# Altium PCB AVALON2_21b.PcbDoc (part 4 of 7)
Units mil, origin at the board's own origin, x right, y up, seen from the top; angles counter-clockwise.
Board outline 5250 x 3000 mil, 4 copper layers (Top Layer, Mid-Layer 1, Mid-Layer 2, Bottom Layer); 460 components, 80 nets, 2011 pads, 1492 vias.
Unrouted connection lines stored in the file: 78.
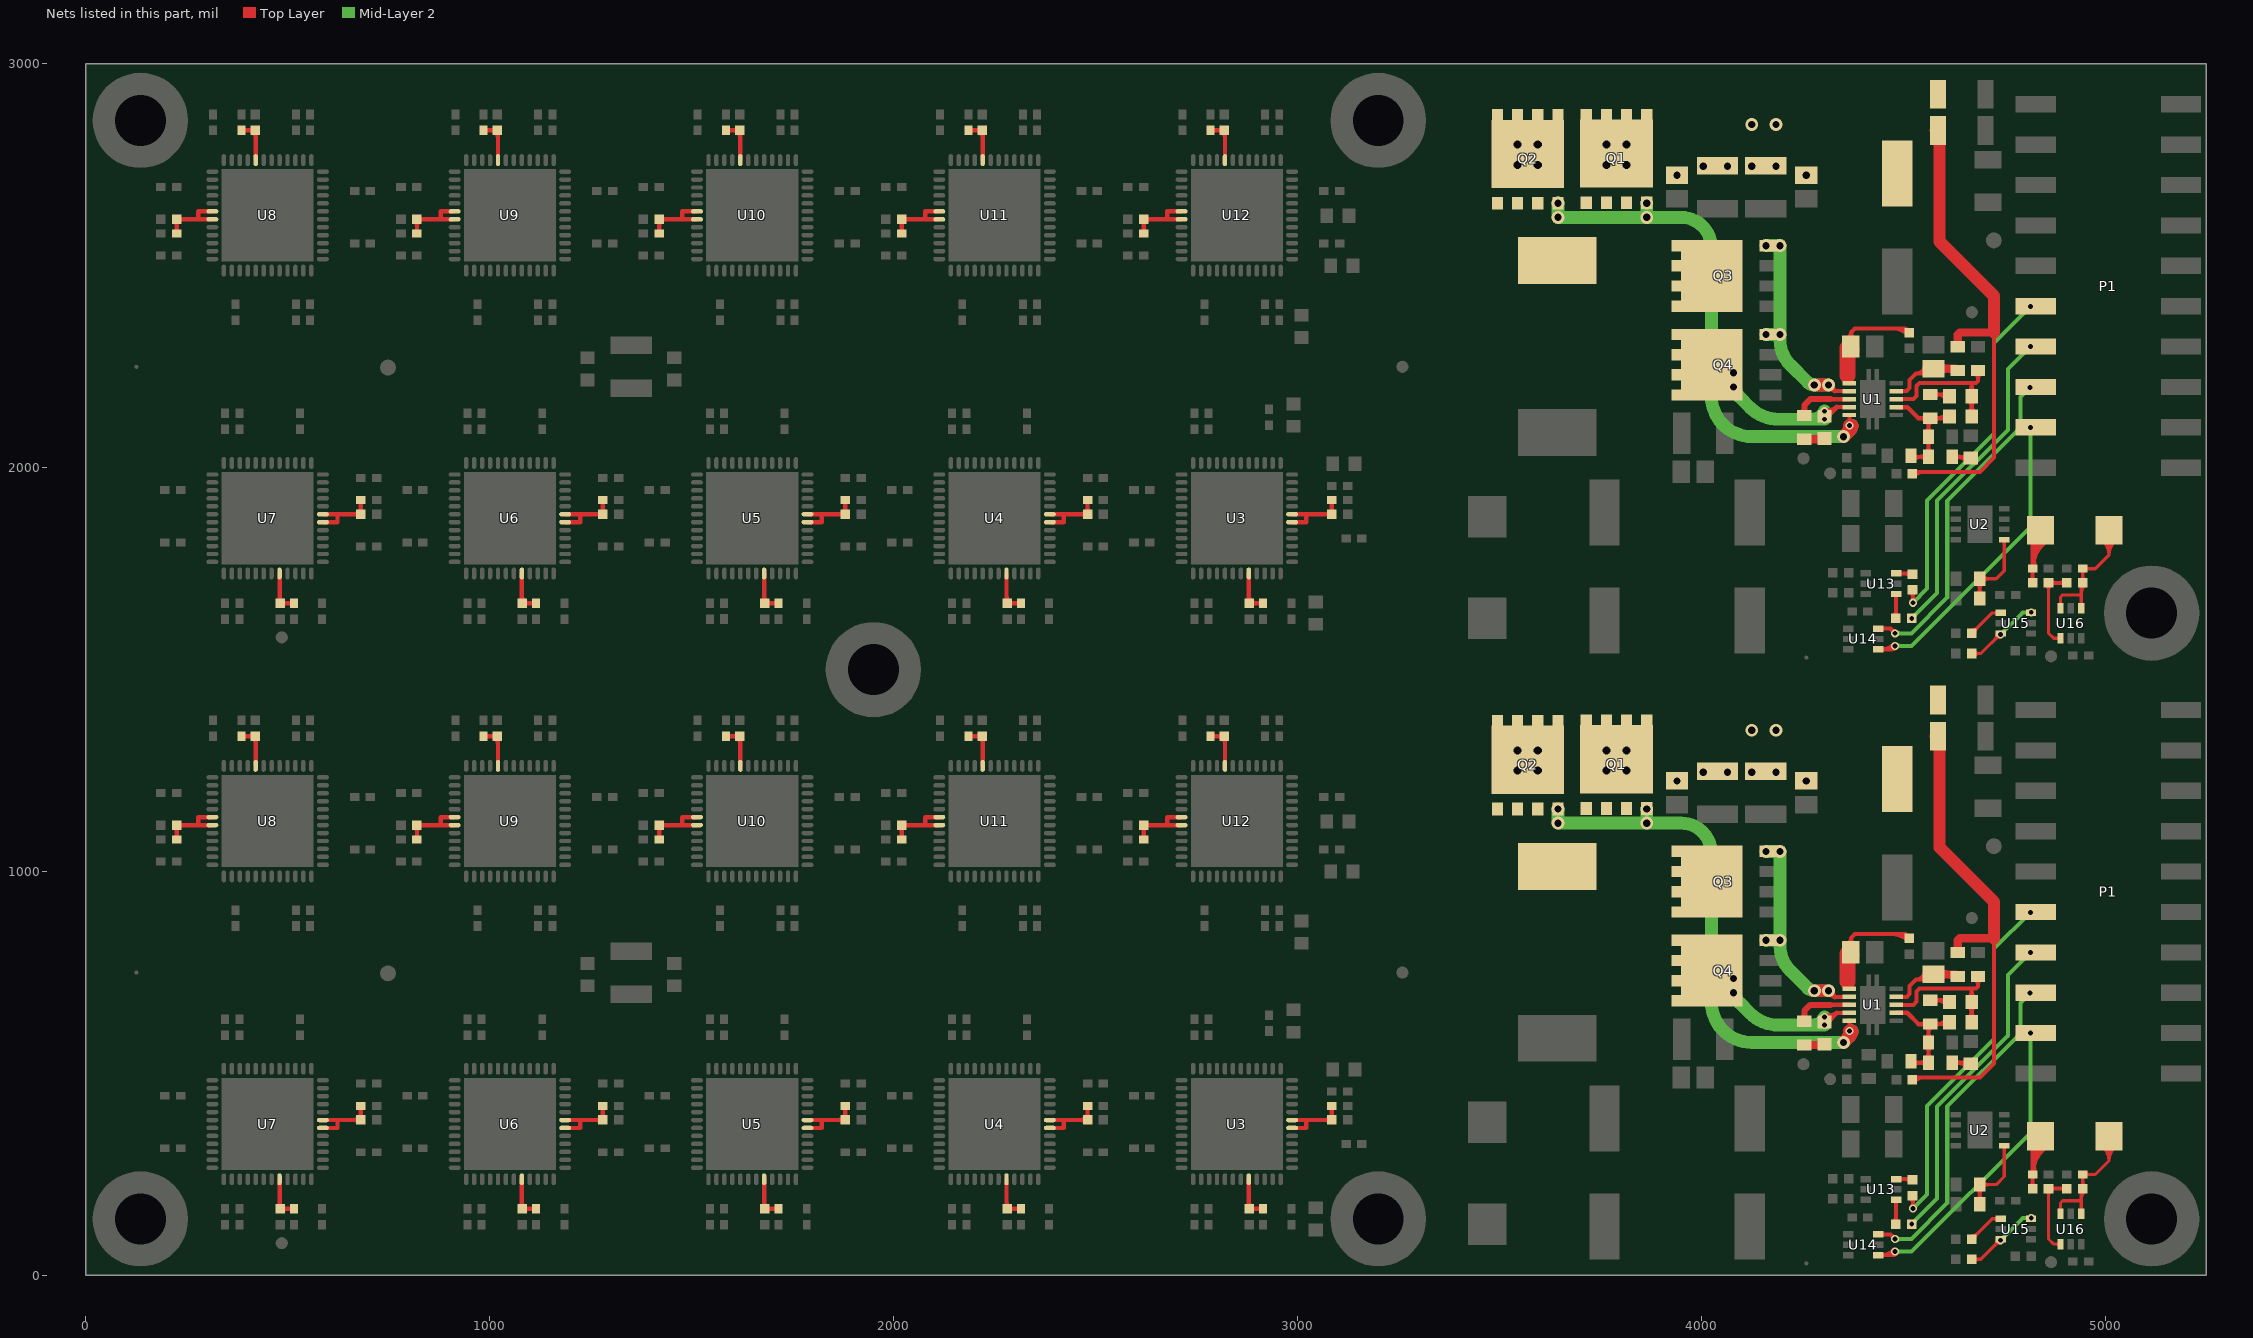
[diagram p6: the nets of this part, all layers, seen from the top]

## Via types
v1: diameter 32, hole 18, Top Layer to Bottom Layer, tented both sides, 846 vias
v2: diameter 20, hole 12, Top Layer to Bottom Layer, tented both sides, 458 vias
v3: diameter 20, hole 12, Top Layer to Bottom Layer, tented bottom, 154 vias
v4: diameter 50, hole 20, Top Layer to Bottom Layer, tented both sides, 16 vias
v5: diameter 23.62, hole 11.81, Top Layer to Bottom Layer, tented bottom, 10 vias
v6: diameter 25.98, hole 12.99, Top Layer to Bottom Layer, tented top, 4 vias
v7: diameter 20, hole 12, Top Layer to Bottom Layer, 4 vias

## Nets (pads, with @x,y where several pads share a name; then routed paths per layer and width w, separated by ;. In a path a pad name is that pad's centre, name@x,y a point inside that pad or via, vN(x,y) a via of type N, cw(c..) or ccw(c..) an arc to the next point about the centre after c; other vN are vias at no path point) (continued)
NetC5_1: C5.1 C6.2 C7.2 C8.2 C146.2 FB1.1 FB2.1 Q1.5 Q2.5 R1.2 R2.2 | length 2515.1
  Top Layer w10: R2.2@4522.69,485 4527.69,490 4690,490 4725,525 4725,835 ; R2.2@4522.69,1985 4527.69,1990 4690,1990 4725,2025 4725,2335 ; R2.2@4527.5,480.18 cw(c4551.2,456.49) 4551.2,490 ; R2.2@4527.5,1980.18 cw(c4551.2,1956.49) 4551.2,1990
  Top Layer w20: R1.2@4635,799.53 4635,830 4640,835 4725,835 ; R1.2@4635,2299.53 4635,2330 4640,2335 4725,2335
  Top Layer w30: FB2.1@4580,1335 4590,1325 4590,1060 4725,925 4725,835 ; FB2.1@4580,2835 4590,2825 4590,2560 4725,2425 4725,2335 ; FB2.1@4582.63,1315.94 cw(c4564.84,1298.15) 4590,1298.15 ; FB2.1@4582.63,2815.94 cw(c4564.84,2798.15) 4590,2798.15
  other v1: 3940,1224.53 4260,1224.53 4005,1246.3 4065,1246.3 4125,1246.3 4185,1246.3 4125,1350 4185,1350 3940,2724.53 4260,2724.53 4005,2746.3 4065,2746.3 4125,2746.3 4185,2746.3 4125,2850 4185,2850
  other v4: 3545,1250 3595,1250 3765,1250 3815,1250 3545,1300 3595,1300 3765,1300 3815,1300 3545,2750 3595,2750 3765,2750 3815,2750 3545,2800 3595,2800 3765,2800 3815,2800
NetC9_1: C9.1 C16.1 R7.2 U1.3 | length 997.6
  Top Layer w10: U1.3@4483.07,670 4525,670 4533,678 4533,703 4540,710 4680,710 4685,715 R7.2@4685,740.47 ; U1.3@4483.07,2170 4525,2170 4533,2178 4533,2203 4540,2210 4680,2210 4685,2215 R7.2@4685,2240.47 ; C16.1@4661.89,636.5 ccw(c4643.54,654.85) 4669.49,654.85 ccw(c4695.44,654.85) C16.1@4677.09,636.5 ; C9.1@4661.89,667.36 cw(c4643.54,649.01) 4669.49,649.01 cw(c4695.44,649.01) C9.1@4677.09,667.36 ; C9.1@4661.89,686.5 ccw(c4643.54,704.85) 4669.49,704.85 ccw(c4695.44,704.85) C9.1@4677.09,686.5 ; C16.1@4661.89,2136.5 ccw(c4643.54,2154.85) 4669.49,2154.85 ccw(c4695.44,2154.85) C16.1@4677.09,2136.5 ; C9.1@4661.89,2167.36 cw(c4643.54,2149.01) 4669.49,2149.01 cw(c4695.44,2149.01) C9.1@4677.09,2167.36 ; C9.1@4661.89,2186.5 ccw(c4643.54,2204.85) 4669.49,2204.85 ccw(c4695.44,2204.85) C9.1@4677.09,2186.5 ; C16.1@4669.49,626.93 C9.1@4669.49,676.93 4669.49,709.49 ; C16.1@4669.49,2126.93 C9.1@4669.49,2176.93 4669.49,2209.49 ; R7.2@4678.79,734.26 cw(c4663.8,719.28) 4685,719.28 cw(c4706.2,719.28) R7.2@4691.21,734.26 ; R7.2@4678.79,2234.26 cw(c4663.8,2219.28) 4685,2219.28 cw(c4706.2,2219.28) R7.2@4691.21,2234.26
NetC9_2: C9.2 R5.2 | length 233.9
  Top Layer w10: R5.2@4566.93,681.46 C9.2@4609.84,681.46 ; R5.2@4566.93,2181.46 C9.2@4609.84,2181.46 ; R5.2@4577.07,675.25 cw(c4592.06,660.26) 4592.06,681.46 cw(c4592.06,702.65) R5.2@4577.07,687.66 ; R5.2@4577.07,2175.25 cw(c4592.06,2160.26) 4592.06,2181.46 cw(c4592.06,2202.65) R5.2@4577.07,2187.66 ; R5.2@4582.24,681.46 cw(c4582.24,646.77) C9.2@4606.77,671.3 ; R5.2@4582.24,2181.46 cw(c4582.24,2146.77) C9.2@4606.77,2171.3 ; 4594.6,681.46 ccw(c4594.6,698.67) C9.2@4606.77,686.5 ; 4594.6,2181.46 ccw(c4594.6,2198.67) C9.2@4606.77,2186.5
NetC10_1: C10.1 L1.1 Q1.1 Q1.2 Q1.3 Q2.1 Q2.2 Q2.3 Q3.5 Q4.5 U1.9 | length 1179.1
  Top Layer w10: 4335.32,650.32 U1.9@4366.93,650.32 ; 4335.32,2150.32 U1.9@4366.93,2150.32
  Top Layer w12: C10.1@4302.32,632.46 ccw(c4308.6,650.15) C10.1@4321.88,636.88 ; C10.1@4302.32,2132.46 ccw(c4308.6,2150.15) C10.1@4321.88,2136.88 ; v2@4306.34,643.77 ccw(c4315.64,669.98) 4335.31,650.31 C10.1@4312.56,627.56 ; v2@4306.34,2143.77 ccw(c4315.64,2169.98) 4335.31,2150.31 C10.1@4312.56,2127.56 ; C10.1@4306.97,637.31 ccw(c4306.97,674.34) 4333.15,648.15 ; C10.1@4306.97,2137.31 ccw(c4306.97,2174.34) 4333.15,2148.15 ; C10.1@4307.34,643.25 ccw(c4316.31,655.69) C10.1@4320.28,640.87 ; C10.1@4307.34,2143.25 ccw(c4316.31,2155.69) C10.1@4320.28,2140.87
  Mid-Layer 2 w32: v1(4080,735) 4080,711.21 ccw(c4131.21,711.21) 4094.99,675.01 4120.71,649.29 ccw(c4191.42,720) 4191.42,620 v2(4305,620) v2(4305,640) ; v1(4080,2235) 4080,2211.21 ccw(c4131.21,2211.21) 4094.99,2175.01 4120.71,2149.29 ccw(c4191.42,2220) 4191.42,2120 v2(4305,2120) v2(4305,2140) ; 4271.2,620 ccw(c4271.2,673.8) v2@4309.24,635.76 ; 4271.2,2120 ccw(c4271.2,2173.8) v2@4309.24,2135.76 ; v1(4080,700) ccw(c4104.14,700) 4087.07,682.93 ; v1(4080,700) ccw(c4104.14,700) 4087.07,682.93 ; v1(4080,700) ccw(c4104.14,700) 4087.07,682.93 ; v1(4080,700) ccw(c4104.14,700) 4087.07,682.93 ; v1(4080,2200) ccw(c4104.14,2200) 4087.07,2182.93 ; v1(4080,2200) ccw(c4104.14,2200) 4087.07,2182.93 ; v1(4080,2200) ccw(c4104.14,2200) 4087.07,2182.93 ; v1(4080,2200) ccw(c4104.14,2200) 4087.07,2182.93
NetC10_2: C10.2 R4.1 | length 128.4
  Top Layer w20: R4.1@4255,570.47 C10.2@4303.03,570.47 ; R4.1@4255,2070.47 C10.2@4303.03,2070.47 ; 4284.4,570.47 ccw(c4284.4,591.07) C10.2@4298.97,576.51 ; 4284.4,2070.47 ccw(c4284.4,2091.07) C10.2@4298.97,2076.51
NetC16_2: C16.2 R5.1 R9.2 R10.2 R11.2 U1.2 | length 1192.9
  Top Layer w10: R10.2@4514.53,530 4517.6,526.93 R11.2@4562.4,526.93 R9.2@4562.4,576.93 4562.4,617.87 R5.1@4566.93,622.4 4609.84,622.4 C16.2@4614.37,626.93 ; R10.2@4514.53,2030 4517.6,2026.93 R11.2@4562.4,2026.93 R9.2@4562.4,2076.93 4562.4,2117.87 R5.1@4566.93,2122.4 4609.84,2122.4 C16.2@4614.37,2126.93 ; R10.2@4525.74,519.86 cw(c4542.81,502.78) 4542.81,526.93 ; R10.2@4525.74,532.27 ccw(c4538.63,545.17) 4538.63,526.93 ; R10.2@4525.74,2019.86 cw(c4542.81,2002.78) 4542.81,2026.93 ; R10.2@4525.74,2032.27 ccw(c4538.63,2045.17) 4538.63,2026.93 ; R11.2@4556.19,520.72 ccw(c4541.21,505.73) 4541.21,526.93 ccw(c4541.21,548.12) R11.2@4556.19,533.14 ; R11.2@4556.19,537.07 ccw(c4541.21,552.06) 4562.4,552.06 ccw(c4583.6,552.06) R11.2@4568.61,537.07 ; R9.2@4556.19,566.78 cw(c4541.21,551.8) 4562.4,551.8 cw(c4583.6,551.8) R9.2@4568.61,566.78 ; R9.2@4556.19,587.07 ccw(c4541.21,602.06) 4562.4,602.06 ccw(c4583.6,602.06) R9.2@4568.61,587.07 ; R11.2@4556.19,2020.72 ccw(c4541.21,2005.73) 4541.21,2026.93 ccw(c4541.21,2048.12) R11.2@4556.19,2033.14 ; R11.2@4556.19,2037.07 ccw(c4541.21,2052.06) 4562.4,2052.06 ccw(c4583.6,2052.06) R11.2@4568.61,2037.07 ; R9.2@4556.19,2066.78 cw(c4541.21,2051.8) 4562.4,2051.8 cw(c4583.6,2051.8) R9.2@4568.61,2066.78 ; R9.2@4556.19,2087.07 ccw(c4541.21,2102.06) 4562.4,2102.06 ccw(c4583.6,2102.06) R9.2@4568.61,2087.07 ; R5.1@4556.78,616.19 cw(c4543.22,602.63) 4562.4,602.63 ; R5.1@4556.78,2116.19 cw(c4543.22,2102.63) 4562.4,2102.63 ; 4562.4,599.78 cw(c4585.61,599.78) R5.1@4569.2,616.19 ; 4562.4,2099.78 cw(c4585.61,2099.78) R5.1@4569.2,2116.19 ; R5.1@4577.07,616.19 cw(c4592.06,601.21) 4592.06,622.4 cw(c4592.06,643.6) R5.1@4577.07,628.61 ; R5.1@4577.07,2116.19 cw(c4592.06,2101.21) 4592.06,2122.4 cw(c4592.06,2143.6) R5.1@4577.07,2128.61 ; R5.1@4582.24,622.4 ccw(c4582.24,657.09) C16.2@4606.77,632.56 ; R5.1@4582.24,2122.4 ccw(c4582.24,2157.09) C16.2@4606.77,2132.56 ; 4594.6,622.4 cw(c4594.6,605.19) C16.2@4606.77,617.36 ; 4594.6,2122.4 cw(c4594.6,2105.19) C16.2@4606.77,2117.36
  Top Layer w11: U1.2@4483.07,650.32 4509.68,650.32 4537.6,622.4 R5.1@4566.93,622.4 ; U1.2@4483.07,2150.32 4509.68,2150.32 4537.6,2122.4 R5.1@4566.93,2122.4 ; R5.1@4557.14,616.55 ccw(c4543,602.41) 4543,622.4 ccw(c4543,642.39) R5.1@4557.14,628.26 ; R5.1@4557.14,2116.55 ccw(c4543,2102.41) 4543,2122.4 ccw(c4543,2142.39) R5.1@4557.14,2128.26
NetC17_2: C17.2 R1.1 U1.4 | length 564.1
  Top Layer w10: U1.4@4483.07,689.68 4508.68,689.68 4516,697 4516,717 4532,733 ; U1.4@4483.07,2189.68 4508.68,2189.68 4516,2197 4516,2217 4532,2233 ; 4544.74,733 ccw(c4544.74,751.42) C17.2@4562.63,747.05 ; 4544.74,2233 ccw(c4544.74,2251.42) C17.2@4562.63,2247.05 ; C17.2@4552.92,749.42 cw(c4532,754.53) 4532,733 ; C17.2@4552.92,2249.42 cw(c4532,2254.53) 4532,2233 ; C17.2@4562.53,733 4532,733 ; C17.2@4562.53,2233 4532,2233
  Top Layer w20: C17.2@4575,745.47 R1.1@4630,745.47 ; C17.2@4575,2245.47 R1.1@4630,2245.47 ; C17.2@4589.15,737.23 cw(c4609.04,717.34) 4609.04,745.47 cw(c4609.04,773.61) C17.2@4589.15,753.71 ; C17.2@4589.15,2237.23 cw(c4609.04,2217.34) 4609.04,2245.47 cw(c4609.04,2273.61) C17.2@4589.15,2253.71 ; 4609.87,745.47 cw(c4609.87,719.28) R1.1@4628.39,737.8 ; 4609.87,2245.47 cw(c4609.87,2219.28) R1.1@4628.39,2237.8
NetC18_1: C18.1 R8.2 U1.6 | length 801.9
  Top Layer w10: C18.1@4361.84,820.15 ccw(c4352.56,835.47) 4370.47,835.47 ; C18.1@4361.84,2320.15 ccw(c4352.56,2335.47) 4370.47,2335.47 ; C18.1@4370.47,800 4370.47,835.47 ; C18.1@4370.47,2300 4370.47,2335.47 ; C18.1@4379.1,820.15 cw(c4388.39,835.47) 4370.47,835.47 ; C18.1@4379.1,2320.15 cw(c4388.39,2335.47) 4370.47,2335.47 ; 4473.65,845 cw(c4473.65,793.34) R8.2@4510.18,829.87 ; 4473.65,2345 cw(c4473.65,2293.34) R8.2@4510.18,2329.87 ; 4497.8,845 cw(c4497.8,817.48) R8.2@4517.25,836.94 ; 4497.8,2345 cw(c4497.8,2317.48) R8.2@4517.25,2336.94 ; R8.2@4515,834.69 4504.69,845 4380,845 4370.47,835.47 ; R8.2@4515,2334.69 4504.69,2345 4380,2345 4370.47,2335.47
  Top Layer w11: 4361.93,728.07 U1.6@4366.93,709.37 ; 4361.93,2228.07 U1.6@4366.93,2209.37
  Top Layer w40: 4361.93,728.07 C18.1@4361.93,796.46 ; 4361.93,769.48 cw(c4395.09,769.48) C18.1@4371.64,792.93 ; 4361.93,2228.07 C18.1@4361.93,2296.46 ; 4361.93,2269.48 cw(c4395.09,2269.48) C18.1@4371.64,2292.93
NetC19_1: C19.1 R11.1 | length 241.2
  Top Layer w10: R11.1@4621.46,526.93 4664.37,526.93 C19.1@4666.93,524.37 ; R11.1@4621.46,2026.93 4664.37,2026.93 C19.1@4666.93,2024.37 ; R11.1@4627.66,520.72 cw(c4642.65,505.73) 4642.65,526.93 cw(c4642.65,548.12) R11.1@4627.66,533.14 ; R11.1@4627.66,2020.72 cw(c4642.65,2005.73) 4642.65,2026.93 cw(c4642.65,2048.12) R11.1@4627.66,2033.14 ; R11.1@4632.83,526.93 cw(c4632.83,492.24) C19.1@4657.36,516.77 ; R11.1@4632.83,2026.93 cw(c4632.83,1992.24) C19.1@4657.36,2016.77 ; 4645.19,526.93 ccw(c4645.19,544.14) C19.1@4657.36,531.97 ; 4645.19,2026.93 ccw(c4645.19,2044.14) C19.1@4657.36,2031.97
NetC22_1: C22.1 R12.1 U3.44 | length 326.7
  Top Layer w11: R12.1@2879.53,166.16 U3.44@2879.53,238.17 ; 2879.53,183.48 ccw(c2899.79,183.48) 2885.46,169.15 ccw(c2896.24,179.92) 2896.24,164.69 ccw(c2896.24,149.45) R12.1@2885.46,160.22 ; R12.1@2879.53,1666.16 U3.44@2879.53,1738.17 ; 2879.53,1683.48 ccw(c2899.79,1683.48) 2885.46,1669.15 ccw(c2896.24,1679.92) 2896.24,1664.68 ccw(c2896.24,1649.45) R12.1@2885.46,1660.22 ; R12.1@2881,164.68 C22.1@2915,164.68 C22.1@2916,164.68 ; R12.1@2881,1664.68 C22.1@2915,1664.68 C22.1@2916,1664.68 ; C22.1@2911.93,161.61 ccw(c2904.52,154.2) 2904.52,164.68 ccw(c2904.52,175.17) C22.1@2911.93,167.76 ; C22.1@2911.93,1661.61 ccw(c2904.52,1654.2) 2904.52,1664.69 ccw(c2904.52,1675.17) C22.1@2911.93,1667.76
NetC23_1: C23.1 R13.1 U4.44 | length 326.7
  Top Layer w11: R13.1@2279.53,166.16 U4.44@2279.53,238.17 ; 2279.53,183.48 ccw(c2299.79,183.48) 2285.46,169.15 ccw(c2296.24,179.92) 2296.24,164.69 ccw(c2296.24,149.45) R13.1@2285.46,160.22 ; R13.1@2279.53,1666.16 U4.44@2279.53,1738.17 ; 2279.53,1683.48 ccw(c2299.79,1683.48) 2285.46,1669.15 ccw(c2296.24,1679.92) 2296.24,1664.69 ccw(c2296.24,1649.45) R13.1@2285.46,1660.22 ; R13.1@2281,164.69 C23.1@2316,164.69 ; R13.1@2281,1664.69 C23.1@2316,1664.69 ; C23.1@2311.93,161.61 ccw(c2304.52,154.2) 2304.52,164.69 ccw(c2304.52,175.17) C23.1@2311.93,167.76 ; C23.1@2311.93,1661.61 ccw(c2304.52,1654.2) 2304.52,1664.69 ccw(c2304.52,1675.17) C23.1@2311.93,1667.76
NetC24_1: C24.1 R14.1 U5.44 | length 326.7
  Top Layer w11: R14.1@1679.53,166.16 U5.44@1679.53,238.17 ; 1679.53,183.48 ccw(c1699.79,183.48) 1685.46,169.15 ccw(c1696.24,179.92) 1696.24,164.69 ccw(c1696.24,149.45) R14.1@1685.46,160.22 ; R14.1@1679.53,1666.16 U5.44@1679.53,1738.17 ; 1679.53,1683.48 ccw(c1699.79,1683.48) 1685.46,1669.15 ccw(c1696.24,1679.92) 1696.24,1664.69 ccw(c1696.24,1649.45) R14.1@1685.46,1660.22 ; R14.1@1680,164.69 C24.1@1715,164.69 ; R14.1@1680,1664.69 C24.1@1715,1664.69 ; C24.1@1711.93,161.61 ccw(c1704.52,154.2) 1704.52,164.69 ccw(c1704.52,175.17) C24.1@1711.93,167.76 ; C24.1@1711.93,1661.61 ccw(c1704.52,1654.2) 1704.52,1664.69 ccw(c1704.52,1675.17) C24.1@1711.93,1667.76
NetC25_1: C25.1 R15.1 U6.44 | length 326.7
  Top Layer w11: R15.1@1079.53,166.16 U6.44@1079.53,238.17 ; 1079.53,183.48 ccw(c1099.79,183.48) 1085.46,169.15 ccw(c1096.24,179.92) 1096.24,164.69 ccw(c1096.24,149.45) R15.1@1085.46,160.22 ; R15.1@1079.53,1666.16 U6.44@1079.53,1738.17 ; 1079.53,1683.48 ccw(c1099.79,1683.48) 1085.46,1669.15 ccw(c1096.24,1679.92) 1096.24,1664.69 ccw(c1096.24,1649.45) R15.1@1085.46,1660.22 ; R15.1@1080,164.69 C25.1@1115,164.69 ; R15.1@1080,1664.69 C25.1@1115,1664.69 ; C25.1@1111.93,161.61 ccw(c1104.52,154.2) 1104.52,164.69 ccw(c1104.52,175.17) C25.1@1111.93,167.76 ; C25.1@1111.93,1661.61 ccw(c1104.52,1654.2) 1104.52,1664.69 ccw(c1104.52,1675.17) C25.1@1111.93,1667.76
NetC46_1: C46.1 M1.1 U3.6 U3.7 | length 497.2
  Top Layer w11: U3.6@2988.78,365.16 3022,365.16 3022,384.84 ; U3.7@2988.78,384.84 3085.16,384.84 C46.1@3085.16,419.84 ; U3.6@2988.78,1865.16 3022,1865.16 3022,1884.84 ; U3.7@2988.78,1884.84 3085.16,1884.84 C46.1@3085.16,1919.84 ; 3069.7,384.84 ccw(c3069.7,400.62) 3080.85,389.46 ccw(c3070.46,399.86) 3085.16,399.86 ; 3069.7,1884.84 ccw(c3069.7,1900.62) 3080.85,1889.46 ccw(c3070.46,1899.86) 3085.16,1899.86 ; 3070.46,384.84 cw(c3070.46,370.14) M1.1@3080.85,380.54 ; 3070.46,1884.84 cw(c3070.46,1870.14) M1.1@3080.85,1880.54 ; C46.1@3082.24,416.93 cw(c3075.21,409.9) 3085.16,409.9 ; C46.1@3082.24,1916.93 cw(c3075.21,1909.9) 3085.16,1909.9 ; 3085.16,400.62 ccw(c3100.93,400.62) M1.1@3089.78,389.46 ; 3085.16,409.14 cw(c3096.18,409.14) C46.1@3088.39,416.93 ; 3085.16,1900.62 ccw(c3100.93,1900.62) M1.1@3089.78,1889.46 ; 3085.16,1909.14 cw(c3096.18,1909.14) C46.1@3088.39,1916.93
NetC47_1: C47.1 M2.1 U4.6 U4.7 | length 493.2
  Top Layer w11: U4.6@2388.78,365.16 2421.84,365.16 2421.84,383 ; U4.7@2388.78,384.84 M2.1@2480.16,384.84 ; U4.6@2388.78,1865.16 2421.84,1865.16 2421.84,1883 ; U4.7@2388.78,1884.84 M2.1@2480.16,1884.84 ; 2464.7,384.84 ccw(c2464.7,400.62) 2475.85,389.46 ccw(c2465.46,399.86) 2480.16,399.86 ; 2464.7,1884.84 ccw(c2464.7,1900.62) 2475.85,1889.46 ccw(c2465.46,1899.86) 2480.16,1899.86 ; 2465.46,384.84 cw(c2465.46,370.14) M2.1@2475.85,380.54 ; 2465.46,1884.84 cw(c2465.46,1870.14) M2.1@2475.85,1880.54 ; C47.1@2477.24,416.93 cw(c2470.21,409.9) 2480.16,409.9 ; C47.1@2477.24,1916.93 cw(c2470.21,1909.9) 2480.16,1909.9 ; 2480.16,400.62 ccw(c2495.93,400.62) M2.1@2484.78,389.46 ; 2480.16,409.14 cw(c2491.18,409.14) C47.1@2483.39,416.93 ; C47.1@2480.16,419.84 M2.1@2480.16,384.84 ; 2480.16,1900.62 ccw(c2495.93,1900.62) M2.1@2484.78,1889.46 ; 2480.16,1909.14 cw(c2491.18,1909.14) C47.1@2483.39,1916.93 ; C47.1@2480.16,1919.84 M2.1@2480.16,1884.84 ; M2.1@2485.16,384.84 M2.1@2480.16,384.84 ; M2.1@2485.16,1884.84 M2.1@2480.16,1884.84
NetC48_1: C48.1 M3.1 U5.6 U5.7 | length 493.2
  Top Layer w11: U5.6@1788.78,365.16 1821.84,365.16 1821.84,383 ; U5.7@1788.78,384.84 M3.1@1880.16,384.84 ; U5.6@1788.78,1865.16 1821.84,1865.16 1821.84,1883 ; U5.7@1788.78,1884.84 M3.1@1880.16,1884.84 ; 1864.7,384.84 ccw(c1864.7,400.62) 1875.85,389.46 ccw(c1865.46,399.86) 1880.16,399.86 ; 1864.7,1884.84 ccw(c1864.7,1900.62) 1875.85,1889.46 ccw(c1865.46,1899.86) 1880.16,1899.86 ; 1865.46,384.84 cw(c1865.46,370.14) M3.1@1875.85,380.54 ; 1865.46,1884.84 cw(c1865.46,1870.14) M3.1@1875.85,1880.54 ; C48.1@1877.24,416.93 cw(c1870.21,409.9) 1880.16,409.9 ; C48.1@1877.24,1916.93 cw(c1870.21,1909.9) 1880.16,1909.9 ; 1880.16,400.62 ccw(c1895.93,400.62) M3.1@1884.78,389.46 ; 1880.16,409.14 cw(c1891.18,409.14) C48.1@1883.39,416.93 ; C48.1@1880.16,419.84 M3.1@1880.16,384.84 ; 1880.16,1900.62 ccw(c1895.93,1900.62) M3.1@1884.78,1889.46 ; 1880.16,1909.14 cw(c1891.18,1909.14) C48.1@1883.39,1916.93 ; C48.1@1880.16,1919.84 M3.1@1880.16,1884.84 ; M3.1@1885.16,384.84 M3.1@1880.16,384.84 ; M3.1@1885.16,1884.84 M3.1@1880.16,1884.84
NetC49_1: C49.1 M4.1 U6.6 U6.7 | length 499.2
  Top Layer w11: U6.6@1188.78,365.16 1224,365.16 1224,383.84 ; U6.7@1188.78,384.84 M4.1@1280.16,384.84 ; U6.6@1188.78,1865.16 1224,1865.16 1224,1883.84 ; U6.7@1188.78,1884.84 M4.1@1280.16,1884.84 ; 1264.7,384.84 ccw(c1264.7,400.62) 1275.85,389.46 ccw(c1265.46,399.86) 1280.16,399.86 ; 1264.7,1884.84 ccw(c1264.7,1900.62) 1275.85,1889.46 ccw(c1265.46,1899.86) 1280.16,1899.86 ; 1265.46,384.84 cw(c1265.46,370.14) M4.1@1275.85,380.54 ; 1265.46,1884.84 cw(c1265.46,1870.14) M4.1@1275.85,1880.54 ; C49.1@1277.24,416.93 cw(c1270.21,409.9) 1280.16,409.9 ; C49.1@1277.24,1916.93 cw(c1270.21,1909.9) 1280.16,1909.9 ; 1280.16,400.62 ccw(c1295.93,400.62) M4.1@1284.78,389.46 ; 1280.16,409.14 cw(c1291.18,409.14) C49.1@1283.39,416.93 ; C49.1@1280.16,419.84 M4.1@1280.16,384.84 ; 1280.16,1900.62 ccw(c1295.93,1900.62) M4.1@1284.78,1889.46 ; 1280.16,1909.14 cw(c1291.18,1909.14) C49.1@1283.39,1916.93 ; C49.1@1280.16,1919.84 M4.1@1280.16,1884.84 ; M4.1@1285.16,384.84 M4.1@1280.16,384.84 ; M4.1@1285.16,1884.84 M4.1@1280.16,1884.84
NetC70_1: C70.1 R16.1 U7.44 | length 326.7
  Top Layer w11: R16.1@479.53,166.16 U7.44@479.53,238.17 ; 479.53,183.48 ccw(c499.79,183.48) 485.46,169.15 ccw(c496.24,179.92) 496.24,164.69 ccw(c496.24,149.45) R16.1@485.46,160.22 ; R16.1@479.53,1666.16 U7.44@479.53,1738.17 ; 479.53,1683.48 ccw(c499.79,1683.48) 485.46,1669.15 ccw(c496.24,1679.92) 496.24,1664.69 ccw(c496.24,1649.45) R16.1@485.46,1660.22 ; R16.1@480,164.69 R16.1@481,164.69 C70.1@515,164.69 ; R16.1@480,1664.69 R16.1@481,1664.69 C70.1@515,1664.69 ; C70.1@511.93,161.61 ccw(c504.52,154.2) 504.52,164.69 ccw(c504.52,175.17) C70.1@511.93,167.76 ; C70.1@511.93,1661.61 ccw(c504.52,1654.2) 504.52,1664.69 ccw(c504.52,1675.17) C70.1@511.93,1667.76
NetC71_1: C71.1 R17.1 U8.44 | length 325.7
  Top Layer w11: C71.1@385,1335.32 R17.1@420,1335.31 ; C71.1@385,2835.32 R17.1@420,2835.31 ; C71.1@388.07,1332.24 cw(c395.48,1324.83) 395.48,1335.31 cw(c395.48,1345.8) C71.1@388.07,1338.39 ; C71.1@388.07,2832.24 cw(c395.48,2824.83) 395.48,2835.31 cw(c395.48,2845.8) C71.1@388.07,2838.39 ; R17.1@414.54,1339.78 cw(c403.76,1350.55) 403.76,1335.31 cw(c403.76,1320.08) 414.54,1330.85 cw(c400.21,1316.52) 420.47,1316.52 ; R17.1@414.54,2839.78 cw(c403.76,2850.55) 403.76,2835.31 cw(c403.76,2820.08) 414.54,2830.85 cw(c400.21,2816.52) 420.47,2816.52 ; U8.44@420.47,1263.8 R17.1@420.47,1335.31 ; U8.44@420.47,2763.8 R17.1@420.47,2835.31